# Altium PCB MainBoard.PcbDoc (part 1 of 4) (continued)
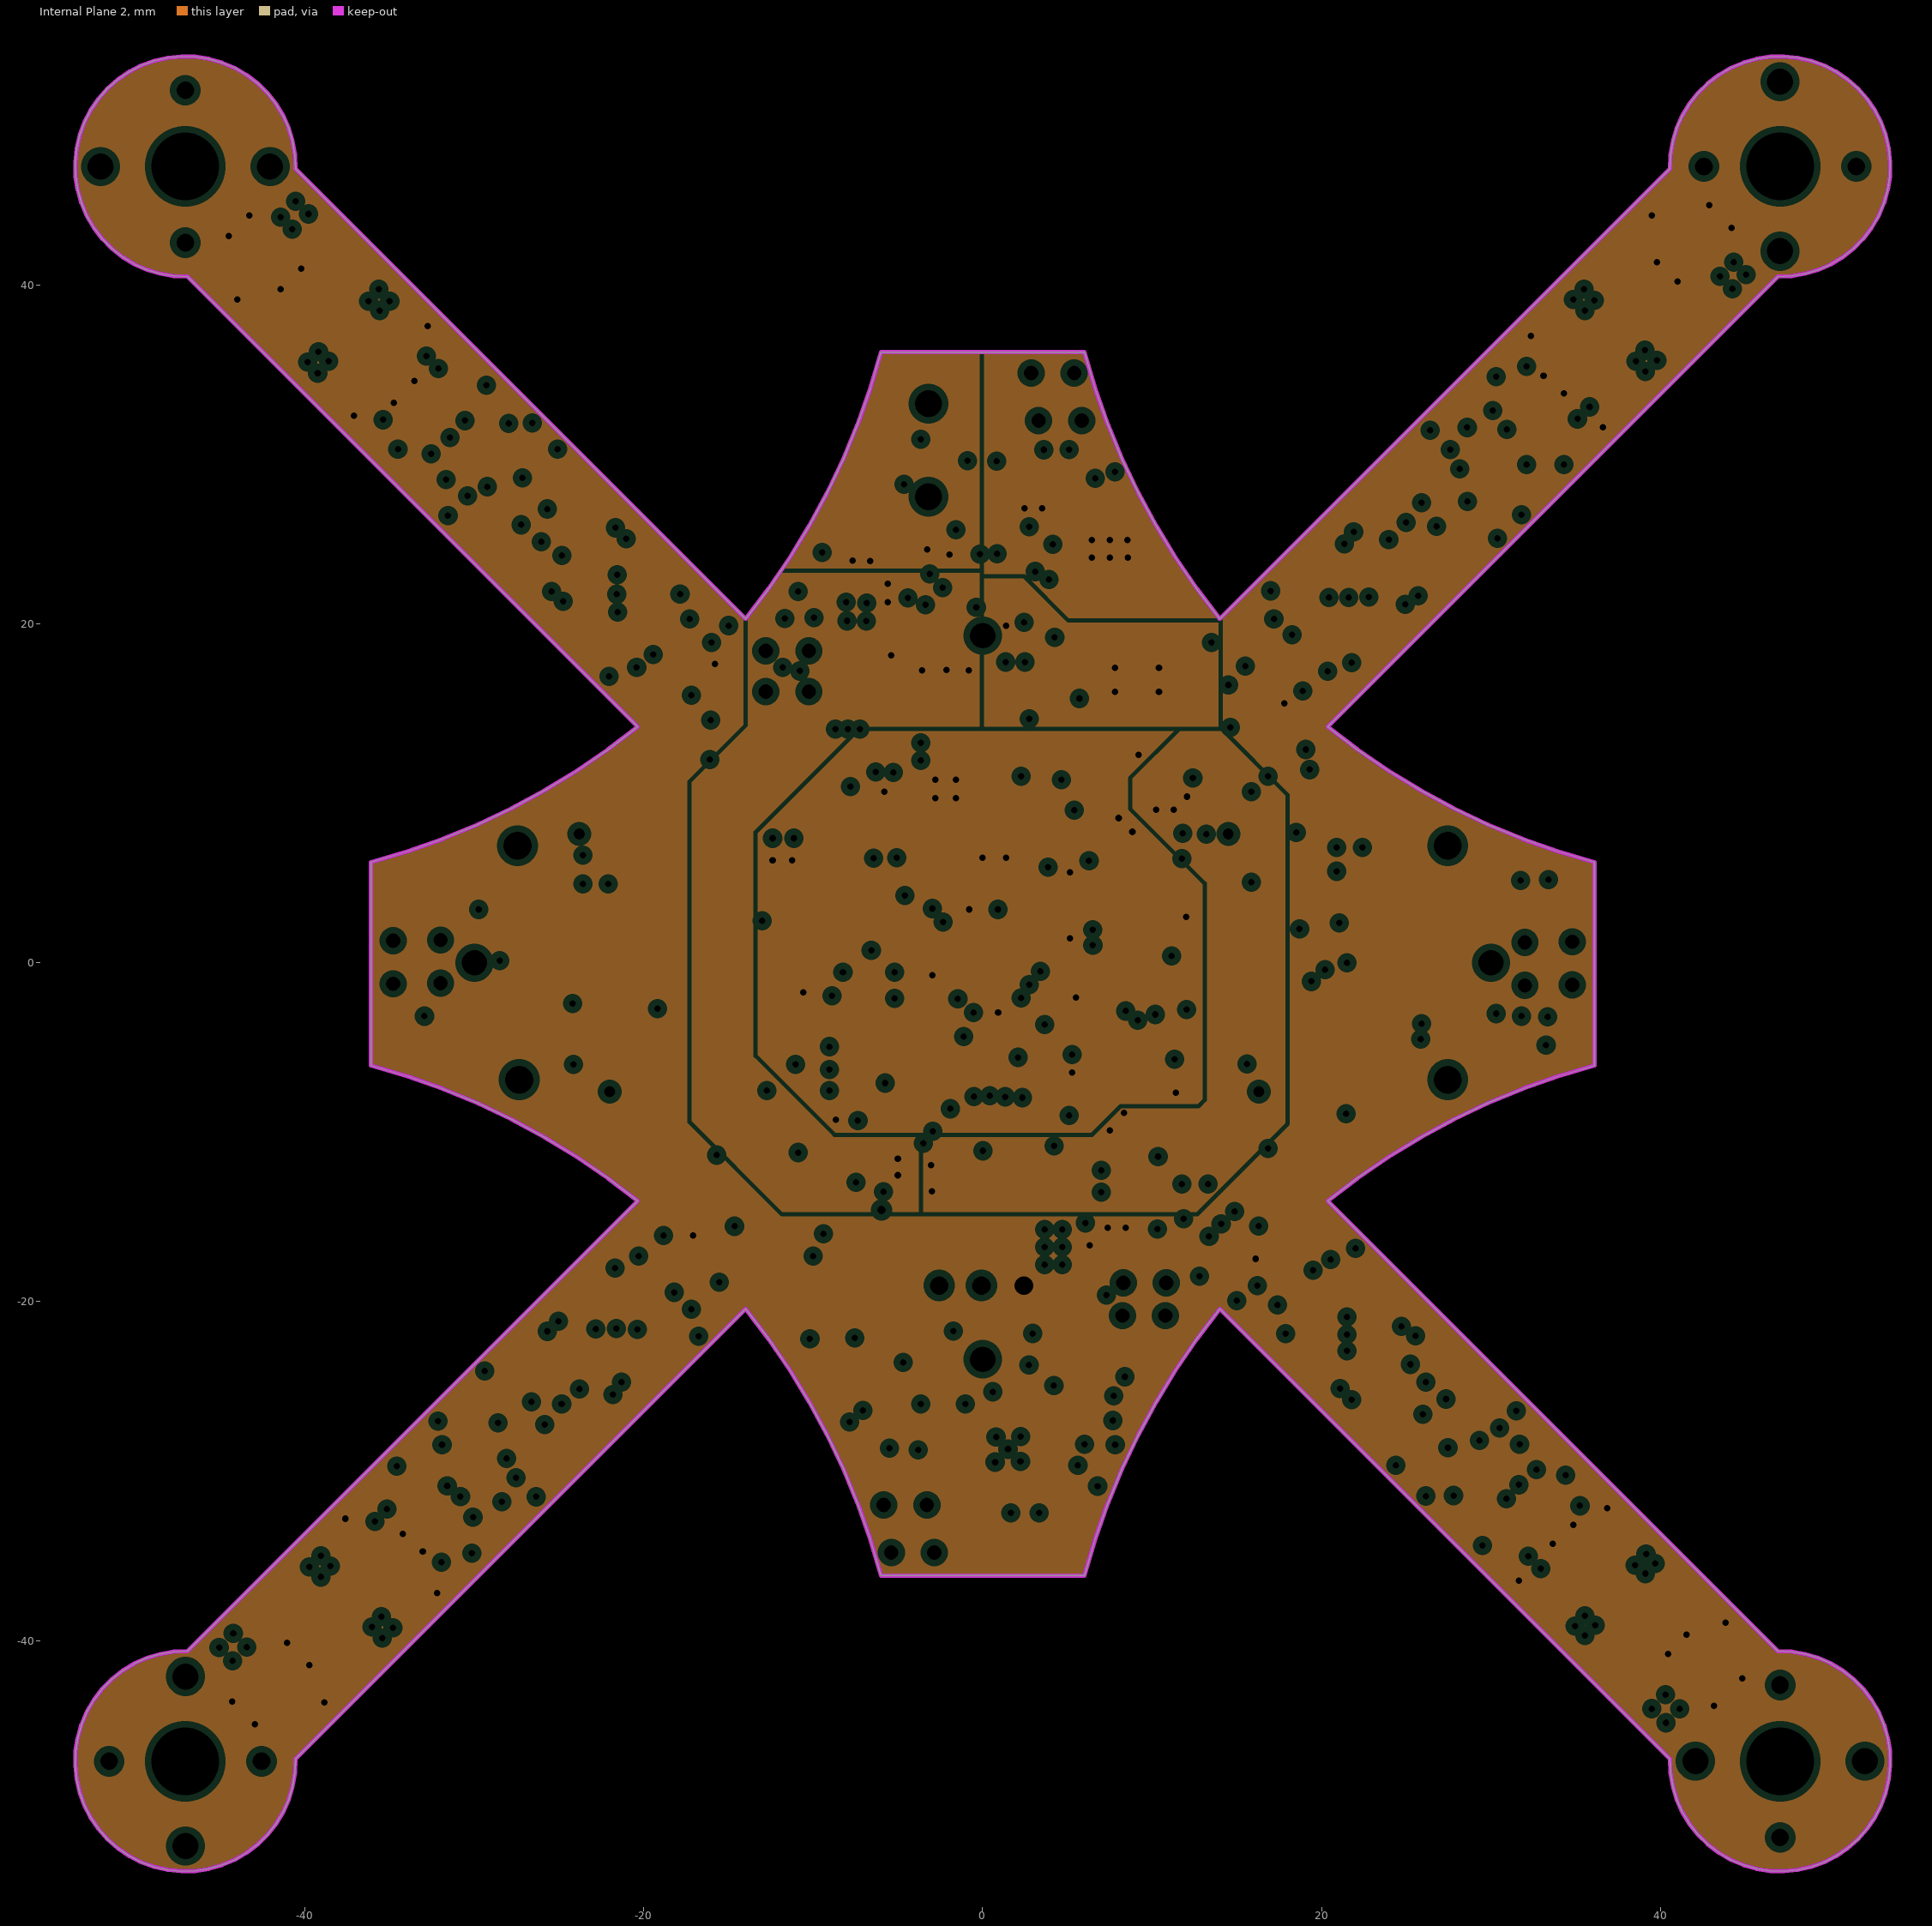
[diagram p3: Internal Plane 2, clearances drawn from the general rule]

## Layer stack, top to bottom
Top Layer: signal copper 0.0254
Dielectric: core 0.4826, FR-4, Dk 4.8
Internal Plane 1: plane copper 0.0254, net GND
Dielectric: prepreg 0.4826, FR-4, Dk 4.8
Internal Plane 2: plane copper 0.0254, net (Multiple Nets)
Dielectric: core 0.4826, FR-4, Dk 4.8
Bottom Layer: signal copper 0.0356

## Board outline
-36.1,5.935 -36.1,-6.065 -33.968,-6.694 -31.872,-7.434 -29.818,-8.282 -27.811,-9.237 -25.856,-10.295 -23.959,-11.454 -22.126,-12.711 -20.361,-14.061 -46.927,-40.628 -47.739,-40.662 -48.541,-40.797 -49.319,-41.031 -50.062,-41.36 -50.758,-41.779 -51.396,-42.282 -51.967,-42.861 -52.461,-43.506 -52.87,-44.208 -53.189,-44.956 -53.412,-45.737 -53.535,-46.54 -53.558,-47.353 -53.479,-48.161 -53.3,-48.954 -53.023,-49.718 -52.653,-50.442 -52.196,-51.113 -51.658,-51.723 -51.049,-52.26 -50.377,-52.718 -49.653,-53.088 -48.889,-53.364 -48.097,-53.544 -47.288,-53.623 -46.476,-53.6 -45.673,-53.476 -44.891,-53.253 -44.144,-52.935 -43.442,-52.525 -42.796,-52.031 -42.218,-51.461 -41.715,-50.822 -41.296,-50.126 -40.966,-49.383 -40.732,-48.605 -40.597,-47.804 -40.563,-46.992 -13.997,-20.425 -12.646,-22.191 -11.39,-24.024 -10.23,-25.921 -9.172,-27.875 -8.218,-29.882 -7.369,-31.937 -6.629,-34.033 -6,-36.165 6,-36.165 6.629,-34.033 7.369,-31.937 8.218,-29.882 9.172,-27.875 10.23,-25.921 11.39,-24.024 12.646,-22.191 13.997,-20.425 40.563,-46.992 40.597,-47.804 40.732,-48.605 40.966,-49.383 41.296,-50.126 41.715,-50.822 42.218,-51.461 42.796,-52.031 43.442,-52.525 44.144,-52.935 44.891,-53.253 45.673,-53.476 46.476,-53.6 47.288,-53.623 48.097,-53.544 48.889,-53.364 49.654,-53.088 50.377,-52.718 51.049,-52.26 51.658,-51.723 52.196,-51.113 52.653,-50.442 53.023,-49.718 53.3,-48.954 53.479,-48.161 53.558,-47.353 53.535,-46.54 53.412,-45.737 53.189,-44.956 52.87,-44.208 52.461,-43.506 51.967,-42.861 51.396,-42.282 50.758,-41.779 50.062,-41.36 49.319,-41.031 48.541,-40.797 47.739,-40.662 46.927,-40.628 20.361,-14.061 22.126,-12.711 23.959,-11.454 25.856,-10.295 27.811,-9.237 29.818,-8.282 31.872,-7.434 33.968,-6.694 36.1,-6.065 36.1,5.935 33.968,6.565 31.872,7.305 29.818,8.153 27.811,9.108 25.856,10.166 23.959,11.325 22.126,12.582 20.361,13.932 46.927,40.499 47.739,40.533 48.541,40.668 49.319,40.902 50.062,41.231 50.758,41.65 51.396,42.153 51.967,42.732 52.461,43.377 52.87,44.079 53.189,44.827 53.412,45.608 53.535,46.411 53.558,47.224 53.479,48.032 53.3,48.825 53.023,49.589 52.653,50.313 52.196,50.984 51.658,51.594 51.049,52.131 50.377,52.589 49.654,52.958 48.889,53.235 48.097,53.415 47.288,53.494 46.476,53.471 45.673,53.347 44.891,53.124 44.144,52.806 43.442,52.396 42.797,51.902 42.218,51.332 41.715,50.693 41.296,49.997 40.966,49.254 40.732,48.476 40.597,47.675 40.563,46.863 13.997,20.296 12.646,22.062 11.39,23.895 10.23,25.792 9.172,27.746 8.218,29.753 7.369,31.808 6.629,33.904 6,36.035 -6,36.035 -6.629,33.904 -7.369,31.808 -8.218,29.753 -9.172,27.746 -10.23,25.792 -11.39,23.895 -12.646,22.062 -13.997,20.296 -40.563,46.863 -40.597,47.675 -40.732,48.476 -40.966,49.254 -41.296,49.997 -41.715,50.693 -42.218,51.332 -42.796,51.902 -43.442,52.396 -44.144,52.806 -44.891,53.124 -45.673,53.347 -46.476,53.471 -47.288,53.494 -48.097,53.415 -48.889,53.235 -49.653,52.958 -50.377,52.589 -51.049,52.131 -51.658,51.594 -52.196,50.984 -52.653,50.313 -53.023,49.589 -53.3,48.825 -53.479,48.032 -53.558,47.224 -53.535,46.411 -53.412,45.608 -53.189,44.827 -52.87,44.079 -52.461,43.377 -51.967,42.732 -51.396,42.153 -50.758,41.65 -50.062,41.231 -49.319,40.902 -48.541,40.668 -47.739,40.533 -46.927,40.499 -20.361,13.932 -22.126,12.582 -23.959,11.325 -25.856,10.166 -27.811,9.108 -29.818,8.153 -31.872,7.305 -33.968,6.565

## Design rules (kind name [scope] priority, off if disabled: settings)
Clearance Clearance_2 [All vs (InPolygon)] p1: gap=0.254
Clearance [All vs (IsVia)] p2: gap=0.254
Clearance Clearance_1 [All] p3: gap=0.152
ComponentClearance [Not(InComponentClass('No Clearance'))] p1: gap=0.203 collisioncheckmode=3 verticalgap=0.203 showdistances=TRUE
DiffPairsRouting [All] p1: maxlimit=0.254 minlimit=0.152 mostfreqgap=0.152 maxuncoupledlength=1
FabricationTestPointUsage TestPointUsage [All] p1: valid=0 allowmultiple=FALSE
FabricationTestpoint Testpoint [All] p1: side=3 testpointundercomponent=TRUE minsize=1.016 maxsize=2.54 preferedsize=1.524 minholesize=0 maxholesize=1.016 preferedholesize=0.813 testpointgrid=0.025 allowsidetop=TRUE allowsidebottom=TRUE usegrid=TRUE gridtolerance=0
HoleSize [All] p1: absolutevalues=TRUE maxlimit=5.08 minlimit=0.381 maxpercent=80.000 minpercent=20.000
MaxMinImpedance [All] p1: minimum=100.0m maximum=250.0m
MinimumAnnularRing [All] p1: minimumring=0.127
MinimumSolderMaskSliver [All] p1: minsoldermaskwidth=0.025
PlaneClearance [All] p1: clearance=0.381
PlaneConnect "Batt Terminal Connect" [(InNet('BATT+') AND InComponent('Battery'))] p1: planeconnectstyle=Relief reliefexpansion=0.508 reliefentries=4 reliefconductorwidth=1.016 reliefairgap=0.254
PlaneConnect 3.3VPlane [All] p2: planeconnectstyle=Relief reliefexpansion=0.254 reliefentries=4 reliefconductorwidth=0.254 reliefairgap=0.152
PlaneConnect Batt+Plane [InNet('BATT+')] p3: planeconnectstyle=Relief reliefexpansion=0.762 reliefentries=4 reliefconductorwidth=1.27 reliefairgap=0.381
PlaneConnect [All] p4: planeconnectstyle=Relief reliefexpansion=0.508 reliefentries=4 reliefconductorwidth=0.508 reliefairgap=0.254
PolygonConnect [All] p1: connectstyle=Direct reliefconductorwidth=1.016 reliefentries=2 polygonreliefangle="90 Angle"
RoutingVias [All] p1: holewidth=0.381 width=0.508 viastyle="Through Hole" minholewidth=0.381 minwidth=0.508 maxholewidth=5.08 maxwidth=5.08
SilkscreenOverComponentPads [All] p1: minsilkscreentomaskgap=0.254
SolderMaskExpansion [All] p1: expansion=0.152
Width Overlay [(OnLayer('Top Overlay') OR OnLayer('Bottom Overlay'))] p1: maxlimit=0.508 minlimit=0.127 preferedwidth=0.254
Width Power [(InNet('CHRG_PWR') OR InNet('BATT+') OR InNet('BATT-') OR InNet('GND') OR InNet('CTAP') OR InNet('PACK+') OR InNet('PWR_IN'))] p2: maxlimit=1.27 minlimit=0.152 preferedwidth=0.381
Width Signal [All] p3: maxlimit=2.54 minlimit=0.152 preferedwidth=0.152
19 further rules are at their usual default settings.

## Classes and differential pairs
net class MCU_ADC[0..5]: MCU_ADC0 MCU_ADC1 MCU_ADC2 MCU_ADC3 MCU_ADC4 MCU_ADC5
component class "U_System Power Supply": 3.3PWR C51 C53 C57 C59 C62 C66 L4 PWRON Q10 R77 S1 U3
component class U_Stage2_Sensors: C40 C41 C42 C56 C58 C60 Mag Magnometer1 Prssr
component class "U_Ext USB": B1 C25 C61 C63 C64 C65 FB2 FB3 FTDI mUSB1 Q9 R48 R49 Rfb1 Rfb2 Rsns3 RX1 TX1
component class "U_Battery Pack & Charger": Battery BattProtect1 Bprot1 C26 C27 C28 C29 C30 C31 C32 C33 C34 C35 C36 C37 C38 C39 Cell1 Charger1 CHG1 CHRG Chrg1 D14 D15 "DC IN" DONE DSG1 L1 OSC1 Osc2 PWR Q5 Q6 Q7 Q8 R1 R2 R50 R51 R52 R53 R54 R55 R56 R57 R58 R59 R60 R61 R62 R63 R64 R65 R67 Rsns1 Rsns2 Rsns3 Temp USBCHRG
component class E4: C45_E4 C46_E4 C47_E4 C55_E4 Cesc1_E4 LED_E4 Mh1_ESC4 MTR1_E4 NPA1_E4 NPB1_E4 NPC1_E4 P2_E4 Q1_E4 Q2_E4 Q3_E4 R4_E4 R4_ESC4 R5_E4 R5_ESC4 R6_E4 R6_ESC4 R7_E4 R7_ESC4 R8_E4 R8_ESC4 R9_E4 R9_ESC4 R10_E4 R10_ESC4 R11_E4 R11_ESC4 R12_E4 R12_ESC4 R13_E4 R13_ESC4 R14_E4 R14_ESC4 R15_E4 R15_ESC4 R16_E4 R16_ESC4 R17_E4 R17_ESC4 R18_E4 R18_ESC4 R19_E4 R19_ESC4 R20_E4 R20_ESC4 R21_E4 R21_ESC4 R22_E4 R22_ESC4 R23_E4 R23_ESC4 R24_E4 R24_ESC4 R25_E4 R25_ESC4 R26_E4 R26_ESC4 R34_E4 R67_E4 R68_E4 R69_E4 R70_E4 R76_E4 uC1_E4
component class E3: C45_E3 C46_E3 C47_E3 C55_E3 Cesc1_E3 LED_E3 Mh1_ESC3 MTR1_E3 NPA1_E3 NPB1_E3 NPC1_E3 P2_E3 Q1_E3 Q2_E3 Q3_E3 R4_E3 R4_ESC3 R5_E3 R5_ESC3 R6_E3 R6_ESC3 R7_E3 R7_ESC3 R8_E3 R8_ESC3 R9_E3 R9_ESC3 R10_E3 R10_ESC3 R11_E3 R11_ESC3 R12_E3 R12_ESC3 R13_E3 R13_ESC3 R14_E3 R14_ESC3 R15_E3 R15_ESC3 R16_E3 R16_ESC3 R17_E3 R17_ESC3 R18_E3 R18_ESC3 R19_E3 R19_ESC3 R20_E3 R20_ESC3 R21_E3 R21_ESC3 R22_E3 R22_ESC3 R23_E3 R23_ESC3 R24_E3 R24_ESC3 R25_E3 R25_ESC3 R26_E3 R26_ESC3 R34_E3 R67_E3 R68_E3 R69_E3 R70_E3 R76_E3 uC1_E3
component class E2: C45_E2 C46_E2 C47_E2 C55_E2 Cesc1_E2 LED_E2 Mh1_ESC2 MTR1_E2 NPA1_E2 NPB1_E2 NPC1_E2 P2_E2 Q1_E2 Q2_E2 Q3_E2 R4_E2 R4_ESC2 R5_E2 R5_ESC2 R6_E2 R6_ESC2 R7_E2 R7_ESC2 R8_E2 R8_ESC2 R9_E2 R9_ESC2 R10_E2 R10_ESC2 R11_E2 R11_ESC2 R12_E2 R12_ESC2 R13_E2 R13_ESC2 R14_E2 R14_ESC2 R15_E2 R15_ESC2 R16_E2 R16_ESC2 R17_E2 R17_ESC2 R18_E2 R18_ESC2 R19_E2 R19_ESC2 R20_E2 R20_ESC2 R21_E2 R21_ESC2 R22_E2 R22_ESC2 R23_E2 R23_ESC2 R24_E2 R24_ESC2 R25_E2 R25_ESC2 R26_E2 R26_ESC2 R34_E2 R67_E2 R68_E2 R69_E2 R70_E2 R76_E2 uC1_E2
component class E1: C45_E1 C46_E1 C47_E1 C55_E1 Cesc1_E1 LED_E1 Mh1_ESC1 MTR1_E1 NPA1_E1 NPB1_E1 NPC1_E1 P2_E1 Q1_E1 Q2_E1 Q3_E1 R4_E1 R4_ESC1 R5_E1 R5_ESC1 R6_E1 R6_ESC1 R7_E1 R7_ESC1 R8_E1 R8_ESC1 R9_E1 R9_ESC1 R10_E1 R10_ESC1 R11_E1 R11_ESC1 R12_E1 R12_ESC1 R13_E1 R13_ESC1 R14_E1 R14_ESC1 R15_E1 R15_ESC1 R16_E1 R16_ESC1 R17_E1 R17_ESC1 R18_E1 R18_ESC1 R19_E1 R19_ESC1 R20_E1 R20_ESC1 R21_E1 R21_ESC1 R22_E1 R22_ESC1 R23_E1 R23_ESC1 R24_E1 R24_ESC1 R25_E1 R25_ESC1 R26_E1 R26_ESC1 R34_E1 R67_E1 R68_E1 R69_E1 R70_E1 R76_E1 uC1_E1
component class "U_Inertial Sensors": ACCEL C1 C2 C3 C5 C6 C50 C52 IMU R1 R2
component class U_Gumstix: C2 C7 C8 C24 C43 C44 "GSTIX RESET" GstixH? GSTX? J1 JP3 JP4 R71 R72 R73 Reg1
channel class "Motor Control": E1 E2 E3 E4
component class U_Microcontroller: C7 C10 C46 C48 C54 C? LED1 LED2 MCU P1 R3 R47 R66 R74 R75 RESET U1 U? Vtrans XTAL Y?
net class PWM[1..4]: PWM1 PWM2 PWM3 PWM4
component class Main: JMP? JP1 JP2
component class U_Sensors: C11 C12 C13 C14 C15 C16 C17 C18 C19 C20 C21 C22 C23 D1 D2 D3 D4 D5 D6 D7 D8 D9 D10 D11 D12 D13 E1 E2 E3 E4 E5 E6 Q4 R27 R28 R29 R30 R31 R32 R33 R35 R36 R37 R38 R39 R40 R41 R42 R43 R44 R45 R46 R? SENS1 SENS2 SENS3 SENS4 SENS5 SENS6
differential pair USBH_IN: +USBH_IN_P -USBH_IN_N
differential pair USBH_D: +USBH_D_P -USBH_D_N

## Components (designator, comment, footprint, x,y, rotation, side; value= is the part's Value field where it differs from the comment)
3.3PWR "swtich mode regulator" TSOP65P640X120_HS-16N -2.9,12.5 r180 bottom (schematic designator PWR2)
ACCEL "ADXL345" LGA14P3X5 0,0 r180 top
B1 "single tristate output line buffer" SOT95P280X145-5N 2.946,-23.952 r180 bottom
Battery "2 Cell Battery" "TURNIGY NANOTECH 2CELL" 27.45,0 r0 bottom locked (schematic designator *)
Bprot1 "Bq29312A" QFN50P400X400X90-24N 0,-11.1 r90 bottom
C1 "X7R Cap" 0603_CAP 3.4,1.6 r270 bottom
C2 "X7R Cap" 0603_CAP 12.5,-13.1 r0 bottom
C3 "X7R Cap" 0603_CAP 0.1,3.5 r180 top
C4 "X7R Cap" 0603_CAP -4.4,-0.6 r0 bottom
C5 "X7R Cap" 0603_CAP 0.1,3.1 r0 bottom
C6 "X7R Cap" 0603_CAP -4.1,2.6 r270 bottom
C7 "X7R Cap" 0603_CAP 11.6,-10.7 r270 bottom
C8 "X7R Cap" 0603_CAP 22.4,6 r90 bottom
C9 "X7R Cap" 0603_CAP 12.5,-6.9 r90 bottom
C10 "X7R Cap" 0603_CAP 11.8,6.9 r270 bottom
C11 "Cap" 0603_CAP 3.9,6.5 r90 bottom
C12 "Cap" 0603_CAP 33.3,-4 r90 bottom
C13 "Cap" 0603_CAP 6.6,29.55 r90 top
C14 "Cap" 0603_CAP -30.7,3.3 r180 top
C15 "Cap" 0603_CAP -6.9,-29.6 r270 top
C16 "Cap" 0603_CAP 12.8,-19.3 r270 top
C18 "Cap" 0603_CAP 32.6,4.9 r180 bottom
C19 "Cap" 0603_CAP 5.1,29.55 r90 top
C20 "Cap" 0603_CAP -29.769,2.591 r270 bottom
C21 "Cap" 0603_CAP -4.6,-28.7 r180 bottom
C22 "Cap" 0603_CAP -10.3,21.4 r270 bottom
C23 "Cap" 0603_CAP 6.2,-20.9 r270 top
C24 "X7R Cap" 0603_CAP 20.9,6 r90 bottom
C25 "" 0603_CAP 5,-32.3 r270 top
C26 "X7R Cap" 0603_CAP -2.591,19.736 r180 bottom
C27 "X7R Cap" 0603_CAP 0.08,21.191 r0 bottom
C28 "X7R Cap" 0603_CAP 0.8,28.8 r270 top
C29 "X7R Cap" 0603_CAP -0.9,28.8 r90 top
C30 "X7R Cap" 0603_CAP 0.6,23.5 r270 bottom
C31 "X7R Cap" 0603_CAP 2.8,20.9 r90 bottom
C32 "X7R Cap" 0603_CAP 3.3,24.5 r0 bottom
C33 "X7R Cap" 0603_CAP 2.7,-20.7 r180 top
C34 "X7R Cap" 0603_CAP -5.5,-19 r180 top
C35 "X7R Cap" 0603_CAP -0.914,-21.082 r180 top
C36 "X7R Cap" 0603_CAP -7.52,-15.393 r90 bottom
C37 "X7R Cap" 0603_CAP 4.3,-9 r180 top
C38 "X7R Cap" 0603_CAP -8.966,-10.592 r0 bottom
C39 "X7R Cap" 0603_CAP 3,13.1 r270 bottom
C40 "X7R Cap" 0603_CAP -8.2,-9.2 r180 top
C41 "X7R Cap" 0603_CAP -16.2,-13.3 r270 top
C42 "X7R Cap" 0603_CAP -14.4,-16.4 r180 top
C43 "X7R Cap" 0603_CAP -23.6,5.4 r270 bottom
C44 "X7R Cap" 0603_CAP -22.1,5.4 r270 bottom
C45_E1 "X7R Cap" 0603_CAP -19.45,-16.7 r45 top (schematic designator C45)
C45_E2 "X7R Cap" 0603_CAP 16.8,-19.6 r135 bottom (schematic designator C45)
C45_E3 "X7R Cap" 0603_CAP -16.662,19.533 r315 top (schematic designator C45)
C45_E4 "X7R Cap" 0603_CAP 19.5,16.65 r225 top (schematic designator C45)
C46 "X7R Cap" 0603_CAP 16.7,4.8 r180 bottom
C47_E1 "T492C" C -40.7,-40.6 r135 bottom (schematic designator C47)
C47_E2 "T492C" C 40.4,-40.5 r225 bottom (schematic designator C47)
C47_E3 "T492C" C -40.8,40.7 r45 bottom (schematic designator C47)
C47_E4 "T492C" C 40.7,40.7 r315 bottom (schematic designator C47)
C48 "X7R Cap" 0603_CAP 15,10.3 r0 bottom
C50 "Cap Pol3" 0603_Cap -0.3,-4 r180 top
C51 "X7R Cap" 0603_CAP -5.8,18.7 r0 top
C52 "Cap Pol3" 0603_Cap -4.4,-2.1 r180 bottom
C53 "X7R Cap" 0603_CAP -6.4,16.5 r0 bottom
C54 "X7R Cap" 0603_CAP 14.7,-6 r0 bottom
C55_E1 "X7R Cap" 0603_CAP -19.609,-21.59 r135 bottom (schematic designator C55)
C55_E2 "X7R Cap" 0603_CAP 22.022,-20.295 r225 bottom (schematic designator C55)
C55_E3 "X7R Cap" 0603_CAP -22.2,19.99 r45 bottom (schematic designator C55)
C55_E4 "X7R Cap" 0603_CAP 20.218,21.819 r315 bottom (schematic designator C55)
C56 "X7R Cap" 0603_CAP -9.75,-1.95 r180 bottom
C57 "X7R Cap" 0603_CAP 1.5,14.9 r180 top
C58 "X7R Cap" 0603_CAP -13.562,2.067 r270 bottom
C59 "T520D" D -2.54,6.981 r180 bottom
C60 "X7R Cap" 0603_CAP -12.662,4.667 r0 bottom
C61 "" 0603_CAP 6.921,-28.427 r0 top
C62 "X7R Cap" 0603_CAP -7.8,11.3 r270 bottom
C63 "" 0603_CAP 1.016,-26.924 r180 bottom
C64 "" 0603_CAP 6.921,-28.427 r0 bottom
C65 "" 0603_CAP -2.794,-25.984 r180 top
C66 "T492C" C -0.4,17.1 r0 bottom
Cesc1_E1 "X7R Cap" 0603_CAP -18.45,-17.7 r225 top (schematic designator Cesc1)
Cesc1_E2 "X7R Cap" 0603_CAP 17.9,-18.5 r315 top (schematic designator Cesc1)
Cesc1_E3 "X7R Cap" 0603_CAP -17.678,18.491 r135 top (schematic designator Cesc1)
Cesc1_E4 "X7R Cap" 0603_CAP 18.4,17.75 r45 top (schematic designator Cesc1)
CHG1 "MOSFET-P" CSD16321Q5_PFET#1 0.9,-12.9 r0 top
CHRG "LED0" 0603_RES -6.4,28.2 r0 top
D14 "Diode 10TQ035" DIODE 6.35,-13.407 r180 bottom
D15 "Diode 10TQ035" DIODE 5.969,-9.195 r0 bottom
"DC IN" "PWR2.5" "DC Power JAck" -3.2,25.5 r270 bottom (schematic designator DC1)
DONE "LED0" 0603_RES -5.5,30.9 r0 top
DSG1 "MOSFET-P" CSD16321Q5_PFET#1 5.4,-12.9 r180 top
E1 "SEP8736" T-1SL 34.8,-1.3 r90 top (schematic designator D1)
E2 "SEP8736" T-1SL 5.4,34.8 r180 top (schematic designator D2)
E3 "SEP8736" T-1SL -34.8,1.3 r270 top (schematic designator D3)
E4 "SEP8736" T-1SL -5.4,-34.8 r0 top (schematic designator D4)
E5 "SEP8736" T-1SL 8.3,-18.9 r0 top (schematic designator D5)
E6 "SEP8736" T-1SL -12.8,16 r0 bottom (schematic designator D6)
FB2 "CHOKE" INDC1608L 3.4,-34 r270 top
FB3 "CHOKE" INDC1608L 1.6,-34 r270 top
FTDI "IC_FT232RQ" QFN-32 1.5,-28.7 r0 top (schematic designator FTDI1)
"GSTIX RESET" "SW-PB" SM_SW 14.4,11 r0 top (schematic designator SW1)
IMU "Triple axis gyroscope" QFN50P400X400X 0,0 r90 bottom (schematic designator IMU1)
J1 "Gumstix Overo Fire" GUMSTIX -28.956,0 r0 top locked (schematic designator GSTX1)
JP1 "JUMPER" JUMPER -11.5,-23.1 r0 bottom
JP2 "JUMPER" JUMPER -9,-23.1 r0 bottom
JP3 "" 0603_RES -18,-3.9 r0 bottom
JP4 "" 0603_RES -18,-1.4 r0 bottom
L1 "Inductor" INDM7575X45N 7.5,19.8 r270 bottom
L4 "Inductor" INDM7575X45N -4.9,14.1 r0 top
LED1 "LED0" 0603_RES 30.3,-3.9 r90 top
LED2 "LED0" 0603_RES 31.8,-4 r90 top
LED_E1 "LED0" 0603_RES -17.4,-22.6 r225 bottom (schematic designator LED)
LED_E2 "LED0" 0603_RES 22.6,-17.5 r315 bottom (schematic designator LED)
LED_E3 "LED0" 0603_RES -22.6,17.4 r135 bottom (schematic designator LED)
LED_E4 "LED0" 0603_RES 17.526,22.403 r45 bottom (schematic designator LED)
Mag "HMC5843" HMC5843 -9.662,1.767 r90 bottom (schematic designator Mag1)
MCU "ATmega8L-8AC" 32A_N 12,0 r270 bottom (schematic designator U1)
MTR1_E1 "brushless motor" "MOTOR COMBO" -47.062,-47.126 r180 top locked (schematic designator MTR1)
MTR1_E2 "brushless motor" "MOTOR COMBO" 47.062,-47.126 r270 top locked (schematic designator MTR1)
MTR1_E3 "brushless motor" "MOTOR COMBO" -47.062,46.997 r90 top locked (schematic designator MTR1)
MTR1_E4 "brushless motor" "MOTOR COMBO" 47.062,46.997 r0 top locked (schematic designator MTR1)
mUSB1 "microUSB" microUSB 2.2,-35.5 r180 bottom
NPA1_E1 "NP mosfet pair" SOIC127P600-8L -40.9,-40.5 r45 top (schematic designator NPA1)
NPA1_E2 "NP mosfet pair" SOIC127P600-8L 40.4,-40.7 r135 top (schematic designator NPA1)
NPA1_E3 "NP mosfet pair" SOIC127P600-8L -40.5,40.9 r315 top (schematic designator NPA1)
NPA1_E4 "NP mosfet pair" SOIC127P600-8L 40.9,40.5 r225 top (schematic designator NPA1)
NPB1_E1 "NP mosfet pair" SOIC127P600-8L -34.2,-34.2 r225 bottom (schematic designator NPB1)
NPB1_E2 "NP mosfet pair" SOIC127P600-8L 34.2,-34.2 r315 bottom (schematic designator NPB1)
NPB1_E3 "NP mosfet pair" SOIC127P600-8L -34.2,34.2 r135 bottom (schematic designator NPB1)
NPB1_E4 "NP mosfet pair" SOIC127P600-8L 34.2,34.2 r45 bottom (schematic designator NPB1)
NPC1_E1 "NP mosfet pair" SOIC127P600-8L -34.2,-34.2 r225 top (schematic designator NPC1)
NPC1_E2 "NP mosfet pair" SOIC127P600-8L 34.2,-34.2 r315 top (schematic designator NPC1)
NPC1_E3 "NP mosfet pair" SOIC127P600-8L -34.2,34.2 r135 top (schematic designator NPC1)
NPC1_E4 "NP mosfet pair" SOIC127P600-8L 34.2,34.2 r45 top (schematic designator NPC1)
Osc2 "32Khz Oscillator" OSCILLATOR -4.39,-14.626 r0 bottom
P1 "Header 4" PRG_HEADER 18.5,-4.3 r180 bottom
P2_E1 "Header 4" PRG_HEADER -16.4,-21.6 r135 top (schematic designator P2)
P2_E2 "Header 4" PRG_HEADER 21.6,-16.5 r225 top (schematic designator P2)
P2_E3 "Header 4" PRG_HEADER -21.6,16.3 r45 top (schematic designator P2)
P2_E4 "Header 4" PRG_HEADER 16.4,21.5 r315 top (schematic designator P2)
Prssr "SCP1000-D11" SCP1000-D11 -11.7,-12.9 r0 top (schematic designator Prssr1)
PWR "LED0" 0603_RES -7.5,25.6 r180 top